# KiCad board spudglo_driver_v8pWB55.kicad_pcb

Outline 74.03 x 44.02 mm; copper layers: Top, GND.Cu (plane), PWR.Cu (plane), Bottom. Coordinates in mm from the lower left corner of the outline.
Outline path: 0,41.01 arc(0.87,43.14) 2.99,44.02 71.02,44.01 arc(73.14,43.15) 74.03,41.02 74.02,3.01 arc(73.15,0.88) 71.03,0 3.02,0.02 arc(0.89,0.89) 0.01,3.01 0,41.01
Stack: Top 0.035mm / dielectric 1.51mm FR4 er 4.5 / GND.Cu 0.035mm / dielectric 1.51mm FR4 er 4.5 / PWR.Cu 0.035mm / dielectric 1.51mm FR4 er 4.5 / Bottom 0.035mm

## Placement (name value [footprint] x y rotation side)
BT1  Battery_Cell  [BatteryHolder_Keystone_500]  42.74 27.74 60 top
C1  1u  [C_0402_1005Metric_Pad0.74x0.62mm_HandSolder]  35.76 39.6 180 top
C2  1u  [C_0402_1005Metric_Pad0.74x0.62mm_HandSolder]  4.36 25.41 90 top
C3  1u  [C_0402_1005Metric_Pad0.74x0.62mm_HandSolder]  27.11 14.68 180 top
C4  10u  [C_0402_1005Metric_Pad0.74x0.62mm_HandSolder]  57.82 23.4 270 top
C5  10u  [C_0402_1005Metric_Pad0.74x0.62mm_HandSolder]  60.2 20.52 180 top
C6  0.1u  [C_0402_1005Metric_Pad0.74x0.62mm_HandSolder]  36.87 28.5 90 top
C7  6p  [C_0402_1005Metric_Pad0.74x0.62mm_HandSolder]  1.19 31.31 45 top
C8  0.1u  [C_0402_1005Metric_Pad0.74x0.62mm_HandSolder]  26.72 32.71 270 top
C9  4.7u  [C_0402_1005Metric_Pad0.74x0.62mm_HandSolder]  8.89 25.6 315 top
C10  0.01u  [C_0402_1005Metric_Pad0.74x0.62mm_HandSolder]  19.39 33.42 90 top
C11  1u  [C_0402_1005Metric_Pad0.74x0.62mm_HandSolder]  20.76 34.22 90 top
C12  100n  [C_0402_1005Metric_Pad0.74x0.62mm_HandSolder]  6.49 33.18 135 top
C13  100n  [C_0402_1005Metric_Pad0.74x0.62mm_HandSolder]  11.59 23.33 315 top
C14  100n  [C_0402_1005Metric_Pad0.74x0.62mm_HandSolder]  18.29 28.54 45 top
C15  0.01u  [C_0402_1005Metric_Pad0.74x0.62mm_HandSolder]  18.12 22.08 270 top
C16  0.1u  [C_0402_1005Metric_Pad0.74x0.62mm_HandSolder]  5.24 29.6 135 top
C17  0.1n  [C_0402_1005Metric_Pad0.74x0.62mm_HandSolder]  5.92 30.31 135 top
C18  1u  [C_0402_1005Metric_Pad0.74x0.62mm_HandSolder]  56.52 13.4 90 top
C19  1u  [C_0402_1005Metric_Pad0.74x0.62mm_HandSolder]  21.77 5.16 90 top
C20  1u  [C_0402_1005Metric_Pad0.74x0.62mm_HandSolder]  61.58 32.81 90 top
C21  1u  [C_0402_1005Metric_Pad0.74x0.62mm_HandSolder]  56.06 33.07 270 top
C22  1u  [C_0402_1005Metric_Pad0.74x0.62mm_HandSolder]  63.42 28.27 270 top
C23  1u  [C_0402_1005Metric_Pad0.74x0.62mm_HandSolder]  58.91 27.44 270 top
C24  22u  [C_0402_1005Metric_Pad0.74x0.62mm_HandSolder]  54.59 22.96 90 top
C25  1u  [C_0402_1005Metric_Pad0.74x0.62mm_HandSolder]  53.25 12.15 270 top
C26  1u  [C_0402_1005Metric_Pad0.74x0.62mm_HandSolder]  21.85 32.75 90 top
C27  22u  [C_0402_1005Metric_Pad0.74x0.62mm_HandSolder]  56.14 22.93 90 top
C28  0.1u  [C_0402_1005Metric_Pad0.74x0.62mm_HandSolder]  64.71 13.65 90 top
C29  1u  [C_0402_1005Metric_Pad0.74x0.62mm_HandSolder]  47.34 13.09 90 top
C30  1u  [C_0402_1005Metric_Pad0.74x0.62mm_HandSolder]  54.78 25.4 0 top
C31  1u  [C_0402_1005Metric_Pad0.74x0.62mm_HandSolder]  55.93 15.96 0 top
C32  1u  [C_0402_1005Metric_Pad0.74x0.62mm_HandSolder]  60.35 10.92 180 top
C33  6p  [C_0402_1005Metric_Pad0.74x0.62mm_HandSolder]  4.39 28.16 225 top
E1  AMCA31-2R450G-S1F-T3  [XDCR_AMCA31-2R450G-S1F-T3]  10.12 43.29 0 top
F1  Fuse-2410FA  [2410FA]  75.4 18.08 270 top
G***  -  [LOGO]  69.45 0.35 0 top
G***#2  -  [LOGO]  67.36 39.91 0 top
G***#3  -  [LOGO]  52.7 9.46 0 top
G***#4  -  [LOGO]  41 42.65 0 top
G***#5  -  [LOGO]  0.42 38.27 90 top
G***#6  -  [LOGO]  17.96 11.31 0 top
G***#7  -  [LOGO]  5.16 43.69 0 top
G***#8  -  [LOGO]  73.67 4.78 90 top
G***#9  -  [LOGO]  62.14 8.65 0 top
G***#10  -  [LOGO]  24.02 -11.91 0 top
G***#11  -  [LOGO]  54.29 42.21 0 top
G***#12  -  [LOGO]  17.57 4.62 0 top
G***#13  -  [LOGO]  0.32 3.97 90 top
G***#14  -  [LOGO]  71.29 37.45 0 top
G***#15  -  [LOGO]  18.15 42.15 0 top
G***#16  -  [LOGO]  73.72 38.12 90 top
G***#17  -  [LOGO]  5.75 0.38 0 top
G***#18  -  [LOGO]  8.98 10.28 0 top
G***#19  -  [LOGO]  68.6 43.63 0 top
G***#20  -  [LOGO]  59.43 0.79 0 top
G***#21  -  [LOGO]  38.34 0.66 0 top
G***#22  -  [LOGO]  31.25 11.75 270 top
G***#23  -  [LOGO]  52.72 8.25 0 top
G***#24  -  [LOGO]  28.01 0.69 0 top
G***#25  -  [LOGO]  48.92 0.73 0 top
G***#26  -  [LOGO]  40.8 13.76 0 top
G***#27  -  [LOGO]  47.51 39.76 0 top
G***#28  -  [LOGO]  73.67 4.78 90 bottom
G***#29  -  [LOGO]  10.5 24.69 180 bottom
G***#30  -  [LOGO]  69.83 18.08 180 bottom
G***#31  -  [LOGO]  57.33 11.14 180 bottom
G***#32  -  [LOGO]  69.74 13.17 180 bottom
G***#33  -  [LOGO]  0.42 38.27 90 bottom
G***#34  -  [LOGO]  15.18 3.79 180 bottom
G***#35  -  [LOGO]  5.75 0.38 180 bottom
G***#36  -  [LOGO]  5.16 43.69 180 bottom
G***#37  -  [LOGO]  4.34 10.81 180 bottom
G***#38  -  [LOGO]  68.6 43.63 180 bottom
G***#39  -  [LOGO]  0.32 3.97 90 bottom
G***#40  -  [LOGO]  73.72 38.12 90 bottom
G***#41  -  [LOGO]  69.45 0.35 180 bottom
G***#42  -  [LOGO]  39.82 11.06 180 bottom
G***#43  -  [LOGO]  42.24 37.69 270 bottom
H1  MountingHole  [MountingHole_4.5mm]  3.06 40.98 0 top
H2  MountingHole  [MountingHole_4.5mm]  3.07 3.06 0 top
H3  MountingHole  [MountingHole_4.5mm]  70.98 41.01 0 top
H4  MountingHole  [MountingHole_4.5mm]  70.98 3.03 0 top
IC1  -  [AP63205]  60.09 23.42 180 top
J1  Conn_01x08_Male  [PinHeader_2x04_P2.54mm_Vertical]  51.06 16.76 180 top
J2  Barrel_Jack_Switch  [BarrelJack_Wuerth_6941xx301002]  65.92 24.98 90 top
J3  terminal_custom_12pin  [1984714]  66.37 3.13 180 top
J4  Conn_01x01_Pin  [Pin_D1.3mm_L11.0mm_LooseFit]  64.4 17.7 0 top
J5  Conn_01x01_Pin  [Pin_D1.3mm_L11.0mm_LooseFit]  64.66 32.17 0 top
J7  Conn_02x02_Top_Bottom  [PinHeader_2x02_P2.00mm_Vertical]  40.99 22.94 0 top
L1  L  [L_1008_2520Metric_Pad1.43x2.20mm_HandSolder]  56.23 19.85 180 top
L2  2.2u  [L_1008_2520Metric_Pad1.43x2.20mm_HandSolder]  8.79 21.95 135 top
L3  8.3nH  [L_0402_1005Metric]  4.59 36.4 90 top
L4  DNI  [L_0402_1005Metric]  6.06 35.95 180 top
L5  9.3nH  [L_0402_1005Metric]  6.07 36.95 180 top
L6  10n  [L_0402_1005Metric_Pad0.77x0.64mm_HandSolder]  7.54 24.53 45 top
LED1  150044M155260  [150044M155260_WRE]  27.15 16.47 90 top
R1  1M  [R_0402_1005Metric_Pad0.72x0.64mm_HandSolder]  32.84 39.64 0 top
R2  10k  [R_0402_1005Metric_Pad0.72x0.64mm_HandSolder]  22.89 25.99 180 top
R3  1M  [R_0402_1005Metric_Pad0.72x0.64mm_HandSolder]  21.84 35.1 90 top
R4  1M  [R_0402_1005Metric_Pad0.72x0.64mm_HandSolder]  21.77 7.63 270 top
R5  1M  [R_0402_1005Metric_Pad0.72x0.64mm_HandSolder]  4.49 18.86 270 top
R6  60k  [R_0402_1005Metric_Pad0.72x0.64mm_HandSolder]  63.79 11.17 0 top
R7  40k  [R_0402_1005Metric_Pad0.72x0.64mm_HandSolder]  66.26 13.67 90 top
R8  10k  [R_0402_1005Metric_Pad0.72x0.64mm_HandSolder]  60.65 17.77 180 top
R9  0  [R_0402_1005Metric_Pad0.72x0.64mm_HandSolder]  55.93 17.5 0 top
R10  10k  [R_0603_1608Metric_Pad0.98x0.95mm_HandSolder]  54.98 29.98 0 top
R11  10k  [R_0402_1005Metric_Pad0.72x0.64mm_HandSolder]  59.91 16.21 180 top
R12  10k  [R_0402_1005Metric_Pad0.72x0.64mm_HandSolder]  22.88 24.98 180 top
R13  1M  [R_0402_1005Metric_Pad0.72x0.64mm_HandSolder]  23.49 23.29 270 top
R14  0  [R_0402_1005Metric_Pad0.72x0.64mm_HandSolder]  3.56 36.23 270 top
R15  10k  [R_0402_1005Metric_Pad0.72x0.64mm_HandSolder]  21.16 27.72 270 top
R16  10k  [R_0402_1005Metric_Pad0.72x0.64mm_HandSolder]  21.87 30.48 90 top
R18  0  [R_0402_1005Metric_Pad0.72x0.64mm_HandSolder]  6.3 31.96 135 top
R20  100  [R_0402_1005Metric]  15.88 21.41 135 top
R21  100  [R_0402_1005Metric]  16.14 24.78 90 top
R22  100  [R_0402_1005Metric]  17.1 23.86 90 top
R23  10k  [R_0402_1005Metric_Pad0.72x0.64mm_HandSolder]  22.26 23.33 270 top
R24  0  [R_0402_1005Metric_Pad0.72x0.64mm_HandSolder]  54.98 13.42 90 top
R34  10k  [R_0402_1005Metric_Pad0.72x0.64mm_HandSolder]  56.47 28.26 180 top
R35  28k  [R_0402_1005Metric_Pad0.72x0.64mm_HandSolder]  53.08 28.26 180 top
U1  rf_433MHz_module  [433MHz_receiver]  26.21 43.91 0 top
U2  rf_433MHz_module  [433MHz_receiver]  26.01 13.77 270 top
U3  rf_433MHz_module  [433MHz_receiver]  0.06 13.51 90 top
U4  rf_433MHz_module  [433MHz_receiver]  26.04 40.75 270 top
U5  RV-8803  [rv-8803-c7]  19.64 24.52 0 top
U6  -  [XR21B1411]  57.49 32.44 0 top
U7  ~  [MIC826SYMT]  62.8 13.38 270 top
U8  ~  [MLPF-WB55-01E3_STM]  4.57 33.87 0 top
U9  SN74HCT245PW  [TSSOP-20_4.4x6.5mm_P0.65mm]  32.14 24.4 0 top
U10  STM32WB55CGUx  [QFN-48-1EP_7x7mm_P0.5mm_EP5.6x5.6mm]  12.37 29.24 225 top
U12  USB-C-31-M-12  [USB_C_Receptacle_HRO_TYPE-C-31-M-12]  60.96 39.82 180 top
U13  -  [NCP361]  59.78 27.27 90 top
U14  LP5907MFX-3.3  [SOT-23-5]  50.24 13.08 180 top
U16  -  [TPS22916BYFPT]  53.41 18.18 90 top
U17  ~  [TPS22810TDBVRQ1]  59.49 13.42 180 top
Y1  ECS-480-8-36-RWN-TR  [XTAL_ECS-480-8-36-RWN-TR]  2.56 29.46 135 top

## Library data of the parts
C1-C33 = -: ki_fp_filters: CP_*
E1 = -: MF: Abracon; MAXIMUM_PACKAGE_HEIGHT: 1.4mm; Package: None; Price: None; Check_prices: https://www.snapeda.com/parts/AMCA31-2R450G-S1F-T3/Abracon/view-part/?ref=eda; STANDARD: Manufacturer Recommendations; PARTREV: 03-21-19; SnapEDA_Link: https://www.snapeda.com/parts/AMCA31-2R450G-S1F-T3/Abracon/view-part/?ref=snap; Purchase-URL: https://www.snapeda.com/api/url_track_click_mouser/?unipart_id=330964&manufacturer=Abracon&part_name=AMCA31-2R450G-S1F-T3&search_term=amca31-2r450g-s1f-t3; Description_1: 2.4GHz Bluetooth, Wi-Fi, WLAN Chip RF Antenna 2.405GHz ~ 2.495GHz 0.5dBi Solder Surface Mount; MANUFACTURER: Abracon; Availability: In Stock
H1-H4 = -: ki_fp_filters: MountingHole*
IC1 = -: MF: Diodes Zetex; Description_1: Conv DC-DC 3.8V to 32V Synchronous Step Down Single-Out 5V 2A 6-Pin TSOT-26 T/R; Package: None; Price: None; SnapEDA_Link: https://www.snapeda.com/parts/AP63205/Zetex/view-part/?ref=snap; Availability: Not in stock; Check_prices: https://www.snapeda.com/parts/AP63205/Zetex/view-part/?ref=eda
J1 = -: ki_fp_filters: Connector*:*_1x??_*
J2 = -: ki_fp_filters: BarrelJack*
J4 J5 = -: Description: Generic connector, single row, 01x01, script generated; ki_fp_filters: Connector*:*_1x??_*
J7 = -: Description: Generic connector, double row, 02x02, top/bottom pin numbering scheme (row 1: 1...pins_per_row, row2: pins_per_row+1 ... num_pins), script generated (kicad-library-utils/schlib/autogen/connector/); ki_fp_filters: Connector*:*_2x??_*
L1 L2 = -: Datasheet: CIGT252010EH2R2MNE; ki_fp_filters: Choke_* *Coil* Inductor_* L_*
L3-L5 = -: Description: Inductor; ki_fp_filters: Choke_* *Coil* Inductor_* L_*
L6 = -: Datasheet: LQG15WZ10NJ02D; ki_fp_filters: Choke_* *Coil* Inductor_* L_*
LED1 = -: ki_fp_filters: 150044M155260_WRE 150044M155260_WRE-M 150044M155260_WRE-L
R1-R16 R18 R20-R24 R34 R35 = -: ki_fp_filters: R_*
U5 = -: Datasheet: https://www.emmicroelectronic.com/sites/default/files/products/datasheets/rv-8803-c7-mn01.pdf
U10 = -: Datasheet: https://www.st.com/resource/en/datasheet/stm32wb55cg.pdf; Description: STMicroelectronics Arm Cortex-M4 MCU, 1024KB flash, 256KB RAM, 64 MHz, 1.71-3.6V, 30 GPIO, UFQFPN48; ki_fp_filters: QFN*1EP*7x7mm*P0.5mm*
U14 = -: Datasheet: http://www.ti.com/lit/ds/symlink/lp5907.pdf; ki_fp_filters: SOT?23*
U16 = -: Description: TPS22916 5.5-V, 2-A Ultra-Low Leakage Load Switch 4-DSBGA -40 to 85; MF: Texas Instruments; PACKAGE: DSBGA-4 Texas Instruments; PRICE: 0.42 USD; Package: DSBGA-4 Texas Instruments; Check_prices: https://www.snapeda.com/parts/TPS22916BYFPT/Texas+Instruments/view-part/?ref=eda; Price: None; SnapEDA_Link: https://www.snapeda.com/parts/TPS22916BYFPT/Texas+Instruments/view-part/?ref=snap; Availability: In Stock; AVAILABILITY: Unavailable; Description_1: 5.5-V, 2-A, 60-mΩ, 10-nA leakage load switch with output discharge
Y1 = -: Description: The minature ECX-2236 is a compact SMD Crystal. The industry standard 2.5 x 2.0 x 0.55 mm ceramic package is ideal for today’s SMD manufacturing environment.; AVAILABILITY: Good; MF: ECS INC; MP: ECX-2236; PACKAGE: SMD-4 ECX; PARTREV: 2017; STANDARD: Manufacturer Recommendation

## Footprints (pads in the part's own frame, mm; a bottom-side part is the same pattern mirrored in y, then rotated)
433MHz_receiver
  rect 1.7x1.7 hole 1: 1(11.34,-1.91)
  oval 1.7x1.7 hole 1: 2(8.8,-1.91) 3(6.26,-1.91) 4(3.72,-1.91)
2410FA
  rect 3x4 smd: 1(0,-4) 2(5.6,-4)
150044M155260_WRE
  rect 0.711x0.356 smd: 1(-0.549,-0.4) 2(-0.549,0.4) 3(0.549,0.4) 4(0.549,-0.4)
1984714
  round 2 hole 1.4: 1(0,0) 2(3.5,0) 3(7,0) 4(10.5,0) 5(14,0) 6(17.5,0) 7(21,0) 8(24.5,0) 9(28,0) 10(31.5,0) 11(35,0) 12(38.5,0)
AP63205
  rect 0.62x1.22 smd: 1(-0.95,-1.3) 2(0,-1.3) 3(0.95,-1.3) 4(0.95,1.3) 5(0,1.3) 6(-0.95,1.3)
BarrelJack_Wuerth_6941xx301002
  rect 4.4x1.8 hole 3.4x0.8: 1(0,0)
  oval 4x1.8 hole 3x0.8: 2(0,-5.8)
  oval 1.8x4 hole 0.8x3: 3(4.8,-3)
BatteryHolder_Keystone_500
  round 2.5 hole 1.02: 1(0,0)
  round 2.54 hole 1.02: 2(9.53,0)
C_0402_1005Metric_Pad0.74x0.62mm_HandSolder
  rrect 0.735x0.62 smd: 1(-0.568,0) 2(0.568,0)
L_0402_1005Metric
  rrect 0.59x0.64 smd: 1(-0.485,0) 2(0.485,0)
L_0402_1005Metric_Pad0.77x0.64mm_HandSolder
  rrect 0.765x0.64 smd: 1(-0.573,0) 2(0.573,0)
L_1008_2520Metric_Pad1.43x2.20mm_HandSolder
  rrect 1.425x2.2 smd: 1(-1.163,0) 2(1.163,0)
MIC826SYMT
  rrect 0.76x0.27 smd: 1(-0.78,0.5) 2(-0.78,0) 3(-0.78,-0.5) 4(0.78,-0.5) 5(0.78,0) 6(0.78,0.5)
  rect 0.5x1.26 smd: 7(0,0)
MLPF-WB55-01E3_STM
  rect 0.203x0.203 smd: 1(-0.254,0.587) 2(-0.254,0) 3(-0.254,-0.587) 4(0.254,-0.587) 5(0.254,0) 6(0.254,0.587)
MountingHole_4.5mm
  round 4.5 hole 4.5 unplated: (0,0)
NCP361
  rect 0.4x0.47 smd: 1(0,-2.3) 2(0.65,-2.3) 3(1.3,-2.3) 4(1.3,-0.47) 5(0.65,-0.47) 6(0,-0.47)
  rect 1.7x0.95 smd: EPAD(0.65,-1.385)
Pin_D1.3mm_L11.0mm_LooseFit
  round 3 hole 1.5: 1(0,0)
PinHeader_2x02_P2.00mm_Vertical
  rect 1.35x1.35 hole 0.8: 1(0,0)
  oval 1.35x1.35 hole 0.8: 2(2,0) 3(0,-2) 4(2,-2)
PinHeader_2x04_P2.54mm_Vertical
  rect 1.7x1.7 hole 1: 1(0,0)
  oval 1.7x1.7 hole 1: 2(2.54,0) 3(0,-2.54) 4(2.54,-2.54) 5(0,-5.08) 6(2.54,-5.08) 7(0,-7.62) 8(2.54,-7.62)
QFN-48-1EP_7x7mm_P0.5mm_EP5.6x5.6mm
  rrect 1.13x1.13 smd: (-2.1,2.1) (-2.1,0.7) (-2.1,-0.7) (-2.1,-2.1) (-0.7,2.1) (-0.7,0.7) (-0.7,-0.7) (-0.7,-2.1) (0.7,2.1) (0.7,0.7) (0.7,-0.7) (0.7,-2.1) (2.1,2.1) (2.1,0.7) (2.1,-0.7) (2.1,-2.1)
  rrect 0.875x0.25 smd: 1(-3.438,2.75) 2(-3.438,2.25) 3(-3.438,1.75) 4(-3.438,1.25) 5(-3.438,0.75) 6(-3.438,0.25) 7(-3.438,-0.25) 8(-3.438,-0.75) 9(-3.438,-1.25) 10(-3.437,-1.75) 11(-3.438,-2.25) 12(-3.438,-2.75) 25(3.438,-2.75) 26(3.438,-2.25) 27(3.438,-1.75) 28(3.438,-1.25) 29(3.438,-0.75) 30(3.438,-0.25) 31(3.438,0.25) 32(3.438,0.75) 33(3.438,1.25) 34(3.437,1.75) 35(3.438,2.25) 36(3.438,2.75)
  rrect 0.25x0.875 smd: 13(-2.75,-3.438) 14(-2.25,-3.438) 15(-1.75,-3.438) 16(-1.25,-3.438) 17(-0.75,-3.438) 18(-0.25,-3.438) 19(0.25,-3.438) 20(0.75,-3.438) 21(1.25,-3.438) 22(1.75,-3.437) 23(2.25,-3.438) 24(2.75,-3.438) 37(2.75,3.438) 38(2.25,3.438) 39(1.75,3.438) 40(1.25,3.438) 41(0.75,3.438) 42(0.25,3.438) 43(-0.25,3.438) 44(-0.75,3.438) 45(-1.25,3.438) 46(-1.75,3.437) 47(-2.25,3.438) 48(-2.75,3.438)
  rect 5.6x5.6 smd: 49(0,0)
R_0402_1005Metric
  rrect 0.54x0.64 smd: 1(-0.51,0) 2(0.51,0)
R_0402_1005Metric_Pad0.72x0.64mm_HandSolder
  rrect 0.715x0.64 smd: 1(-0.598,0) 2(0.598,0)
R_0603_1608Metric_Pad0.98x0.95mm_HandSolder
  rrect 0.975x0.95 smd: 1(-0.912,0) 2(0.912,0)
rv-8803-c7
  rect 0.8x0.5 smd: 1(0,0) 2(0,-0.9) 3(0,-1.8) 4(0,-2.7) 5(1.2,-2.7) 6(1.2,-1.8) 7(1.2,-0.9) 8(1.2,0)
SOT-23-5
  rrect 1.325x0.6 smd: 1(-1.137,0.95) 2(-1.137,0) 3(-1.137,-0.95) 4(1.137,-0.95) 5(1.137,0.95)
TPS22810TDBVRQ1
  rrect 1.21x0.58 smd: 1(-1.255,0.95) 2(-1.255,0) 3(-1.255,-0.95) 4(1.255,-0.95) 5(1.255,0) 6(1.255,0.95)
TPS22916BYFPT
  round 0.203 smd: A1(-0.203,0.203) A2(0.203,0.203) B1(-0.203,-0.203) B2(0.203,-0.203)
TSSOP-20_4.4x6.5mm_P0.65mm
  rrect 1.475x0.4 smd: 1(-2.862,2.925) 2(-2.862,2.275) 3(-2.862,1.625) 4(-2.862,0.975) 5(-2.862,0.325) 6(-2.862,-0.325) 7(-2.862,-0.975) 8(-2.862,-1.625) 9(-2.862,-2.275) 10(-2.862,-2.925) 11(2.862,-2.925) 12(2.862,-2.275) 13(2.862,-1.625) 14(2.862,-0.975) 15(2.862,-0.325) 16(2.862,0.325) 17(2.862,0.975) 18(2.862,1.625) 19(2.862,2.275) 20(2.862,2.925)
USB_C_Receptacle_HRO_TYPE-C-31-M-12
  round 0.65 hole 0.65 unplated: (-2.89,2.6) (2.89,2.6)
  rect 0.6x1.45 smd: A1(-3.25,4.045) A4(-2.45,4.045) A9(2.45,4.045) A12(3.25,4.045) B1(3.25,4.045) B4(2.45,4.045) B9(-2.45,4.045) B12(-3.25,4.045)
  rect 0.3x1.45 smd: A5(-1.25,4.045) A6(-0.25,4.045) A7(0.25,4.045) A8(1.25,4.045) B5(1.75,4.045) B6(0.75,4.045) B7(-0.75,4.045) B8(-1.75,4.045)
  oval 1x2.1 hole 0.6x1.7: S1(-4.32,3.13) S1(4.32,3.13)
  oval 1x1.6 hole 0.6x1.2: S1(-4.32,-1.05) S1(4.32,-1.05)
XDCR_AMCA31-2R450G-S1F-T3
  rect 0.8x2 smd: 1(0.67,-1.07) 2(3.37,-1.07)
XR21B1411
  rect 0.625x0.3 smd: 1(0,-0.005) 2(0,-0.505) 3(0,-1.005) 4(0,-1.505) 9(2.775,-1.505) 10(2.775,-1.005) 11(2.775,-0.505) 12(2.775,-0.005)
  rect 0.3x0.625 smd: 5(0.608,-2.172) 6(1.107,-2.172) 7(1.607,-2.172) 8(2.107,-2.172) 13(2.108,0.603) 14(1.607,0.603) 15(1.107,0.603) 16(0.607,0.603)
  rect 1.7x1.7 smd: EPAD(1.383,-0.78)
XTAL_ECS-480-8-36-RWN-TR
  rect 1.2x1 smd: 1(-0.85,-0.65) 2(0.85,-0.65) 3(0.85,0.65) 4(-0.85,0.65)

## Nets
5V_BUCK_BYPASS: R11.1 U7.3 U17.3
5V_BUCK_EN_N: IC1.2 R8.1 U7.1 U16.B2
+3V3: C3.1 C10.1 C11.1 C12.1 C13.1 C14.1 C16.1 C17.1 C20.1 C29.1 J1.8 LED1.1 R2.1 R12.1 R13.1 R16.1 R23.1 U6.12 U10.1 U10.8 U10.20 U10.23 U10.34 U10.35 U10.48 U12.A8 U14.5
+5V: C6.1 C25.1 R9.2 R24.2 U9.20 U14.1 U14.3
GND1: BT1.2 C1.2 C2.2 C3.2 C4.2 C6.2 C7.2 C8.2 C9.2 C10.2 C11.2 C12.2 C13.2 C14.2 C15.2 C16.2 C17.2 C18.2 C19.2 C20.2 C21.2 C22.2 C23.2 C24.2 C25.2 C26.2 C27.2 C28.2 C29.2 C30.2 C31.2 C32.2 C33.2 IC1.4 J1.1 J2.2 J2.3 J3.3 J3.6 J3.9 J3.12 J5.1 L4.1 L5.1 R1.2 R3.2 R4.2 R5.2 R7.2 R8.2 R10.2 R11.2 R14.1 R14.2 R15.2 R35.2 U1.1 U2.1 U3.1 U4.1 U5.5 U6.11 U6.13 U6.EPAD U7.2 U7.7 U8.2 U8.4 U8.5 U8.6 U9.2 U9.4 U9.6 U9.8 U9.9 U9.10 U9.11 U9.12 U9.14 U9.16 U9.18 U10.22 U10.32 U10.40 U10.49 U12.A1 U12.A12 U12.B1 U12.B12 U13.1 U13.2 U13.EPAD U14.2 U16.B1 U17.2 Y1.2 Y1.4
VBUS: C21.1 C23.1 R34.1 U6.16 U13.4 U13.5
VBUS_PRESENT: R34.2 R35.1 U10.14
VIN: C1.1 C2.1 C4.1 C19.1 C26.1 C32.1 F1.2 IC1.3 J3.1 J3.2 J3.4 J3.7 J3.10 R6.1 U1.2 U2.2 U3.2 U4.2 U17.1
/spudglo_v8p0_micro/BLUE_LED: R22.2 U10.44
/spudglo_v8p0_micro/BOOT0: R15.1 U10.4
/spudglo_v8p0_micro/GREEN_LED: R21.2 U10.43
/spudglo_v8p0_micro/LVL_DIR: U9.1 U10.29
/spudglo_v8p0_micro/LVL_EN: U9.19 U10.28
/spudglo_v8p0_micro/OSC48_HI: C7.1 U10.25 Y1.3
/spudglo_v8p0_micro/OSC48_LO: C33.1 U10.24 Y1.1
/spudglo_v8p0_micro/RED_LED: R20.2 U10.42
GPIO_1: J7.1 U10.37
GPIO_2: J7.2 U10.19
GPIO_3: J7.3 U10.5
GPIO_4: J7.4 U10.6
I2C2_SCL: R12.2 U5.8 U10.46
I2C2_SDA: R2.2 U5.1 U10.47
NRST: C8.1 J1.2 R16.2 U6.8 U10.7 U12.B8
RV_8803_CLK_EN: R13.2 U5.4 U10.3
RV_8803_CLK_OUT: U5.2 U10.2
RV_8803_INT_N: R23.2 U5.6 U10.11
SWCLK: J1.6 U10.41 U12.B5
SWDIO: J1.7 U10.39 U12.A5
TIM1_CH1: U9.3 U10.17
TIM1_CH1_SHIFT: J3.11 U9.17
TIM1_CH2: U9.5 U10.18
TIM1_CH2_SHIFT: J3.8 U9.15
TIM1_CH3: U9.7 U10.36
TIM1_CH3_SHIFT: J3.5 U9.13
USBD+: U6.15 U12.A6 U12.B6
USBD-: U6.14 U12.A7 U12.B7
V_BUTTON: BT1.1 C15.1 U5.3
WKUP1: U4.4 U6.7 U10.9
WKUP2: U3.4 U10.10
WKUP3: U2.4 U10.12
WKUP4: U1.4 U10.13
XR_GPIO: U6.6 U10.15
XR_RX: U6.10 U10.45
XR_TX: U6.9 U10.38
Net-(E1-Pad1): E1.1 L3.2 L5.2
Net-(IC1-BST): C5.1 IC1.6
Net-(IC1-FB): C24.1 C27.1 C30.1 IC1.1 L1.2 U16.A2
Net-(IC1-SW): C5.2 IC1.5 L1.1
Net-(J4-Pin_1): F1.1 J2.1 J4.1
Net-(L2-Pad2): L2.2 L6.1
Net-(LED1-Pad2): LED1.2 R20.1
Net-(LED1-Pad3): LED1.3 R21.1
Net-(LED1-Pad4): LED1.4 R22.1
Net-(U1-OUT+): R1.1 U1.3
Net-(U2-OUT+): R4.1 U2.3
Net-(U3-OUT+): R5.1 U3.3
Net-(U4-OUT+): R3.1 U4.3
Net-(U6-LOWPOWER): R10.1 U6.1
Net-(U7-VCC): C28.1 R6.2 R7.1 U7.6
Net-(U8-IN): R18.2 U8.3
Net-(U8-OUT): L3.1 L4.2 U8.1
Net-(U10-RF1): R18.1 U10.21
Net-(U10-VFBSMPS): C9.1 L6.2 U10.31
Net-(U10-VLXSMPS): L2.1 U10.33
Net-(U12-VBUS1): C22.1 U12.A4 U12.A9 U12.B4 U12.B9 U13.3
Net-(U16-VOUT): C31.1 R9.1 U16.A1
Net-(U17-VOUT): C18.1 R24.1 U17.6

Pads without a net: E1 2; J1 3 4 5; U5 7; U6 2 3 4 5; U7 4 5; U10 16 26 27 30; U12 S1; U13 6; U14 4; U17 4 5

## Via types
v1: diameter 0.8, hole 0.4, Top to Bottom, 168 vias
v2: diameter 4, hole 3, Top to Bottom, 2 vias
v3: diameter 5, hole 4, Top to Bottom, 2 vias

## Routing (per net, layer and track width the routed paths; a pad name or vN(x,y) marks a point on that pad's centre or on a via; arc(x,y) is an arc through that point)
5V_BUCK_BYPASS: length 3.4
  Top w0.25: 60.74,16.13 U17.3 60.95,14.16 U7.3
5V_BUCK_EN_N: length 21
  Top w0.2: U16.B2 53.62,18.39 60.94,18.39 61.56,17.77
  Top w0.25: U7.1 63.3,14.62 63.05,14.87 62.9,14.87 61.63,16.13 61.63,17.7 61.56,17.77 61.56,17.96 62.08,18.48 62.08,22.47 61.49,23.06 60.9,23.06 60.09,23.86 IC1.2
+3V3: length 47.3
  Top w0.25: v1(24.63,14.86) 25.44,14.05 27.04,14.05 C3.1 27.68,15.8 LED1.1 ; v1(59.67,37.03) 59.71,36.98 U12.A8 ; U10.8 15.19,33.13 18.3,33.13 18.57,32.85 C10.1 19.96,32.85 C11.1 21.03,33.39 21.03,32.7 v1(20.7,32.37) ; U10.34 U10.35 11.19,24.88 11.19,23.74 C13.1 11.19,20.87 v1(11.2,20.86) 11.2,20.65 11.26,20.59 ; v1(61.65,31.19) 61.58,31.26 C20.1 61.39,32.43 U6.12 ; U10.1 16.86,29.73 v1(17.33,29.25) ; 23.48,25.98 R12.1 22.43,23.93 ; v1(5.76,34.84) 5.76,34.81 6.89,33.68 C12.1 7.28,32.39 7.31,32.39 7.93,31.78 8.78,31.78 U10.20 ; U10.23 8,30.43 7.62,30.43 7.1,29.91 C17.1 5.64,29.23 ; R13.1 22.3,23.89 ; v1(18.5,27.54) 18.49,27.54 C14.1 17.36,28.14 U10.48 ; R2.1 24.41,25.99 v1(24.44,26.02) ; 22.01,30.02 22.03,30.04 v1(22.68,30.04) ; v1(6.36,29.2) C16.1
  Top w0.5: v1(48.94,11.06) 48.9,11.06 47.44,12.53 C29.1 47.34,11.23 v1(47.73,10.84)
  Top w0.75: C29.1 47.63,12.53 48.06,12.95 48.28,12.95 U14.5
+5V: length 11.1
  Top w0.5: U14.3 51.95,14.03 52.49,13.48 52.49,13.43 53.08,12.84 52.37,12.13 U14.1 ; C6.1 36.87,27.13 v1(36.56,26.83) ; 54.98,14.33 54.29,15.02 v1(54.27,15.02) ; R9.2 57.43,17.5 v1(57.51,17.42) ; U9.20 35.61,27.93 36.57,27.93 36.87,27.64 ; v1(53.74,13.6) 53.74,12.9 53.8,12.84 53.68,12.72 C25.1
GND1: length 467.7
  Top w0.2: v1(54.18,17.4) U16.B1
  Top w0.25: 7.02,30.88 8.26,30.88 U10.22 ; 7.02,30.88 6.95,30.8 6.55,30.8 5.42,31.94 4.67,31.94 3.86,32.75 3.86,33.47 ; 7.02,30.88 6.86,30.71 C17.2 ; 51.69,4.45 49.94,6.2 40.71,6.2 39.81,7.1 33.73,7.1 33.39,7.44 33.39,22.38 33.4,22.39 v1(33.67,22.39) 33.93,22.13 U9.12 ; U9.14 34.31,23.43 33.91,23.83 33.04,23.83 32.49,23.28 32.49,7.05 33.34,6.2 39.44,6.2 40.22,5.42 ; U8.5 U8.2 3.71,33.87 v1(3.52,34.06) 3.84,34.38 3.84,35.36 R14.2 R14.1 3.56,37.01 6.35,39.8 6.35,40.54 8.46,42.65 ; U8.5 4.82,33.48 ; U8.5 U8.6 4.79,34.46 4.79,35.29 ; v1(19.72,20.12) 19.03,20.82 ; v1(19.72,20.12) 19.03,20.82 19.03,21.15 18.66,21.51 C15.2 ; v1(19.72,20.12) 20.04,20.44 20.05,20.44 20.84,21.23 U5.5 ; R15.2 21.63,27.59 21.77,27.59 v1(22.04,27.85) ; C17.2 4.98,31.25 v1(4.4,31.25) ; C17.2 4.84,30.03 ; 55.95,31.1 v1(55.94,31.09) 55.89,31.04 R10.2 ; U9.10 U9.9 U9.8 ; 31.59,6.68 32.96,5.3 36.2,5.3 ; v1(28.01,24.08) U9.6 ; U9.6 29.97,24.08 30.79,24.9 30.79,25.4 31.69,26.3 31.69,33.15 28.53,36.3 28.53,38.15 25.34,41.34 20.89,41.34 17.83,38.28 17.47,38.28 16.37,37.18 9.87,37.18 8.33,35.63 ; U9.6 27.89,24.08 ; 26.72,31.93 26.64,31.93 24.22,29.5 24.22,29.42 ; R35.2 52.48,27.4 v1(52.5,27.38) ; 40.22,5.42 41.25,4.39 41.32,4.46 42.42,4.46 43.2,3.68 43.2,2.51 42.42,1.73 41.4,1.73 40.55,2.58 40.55,3.68 ; 40.22,5.42 40.34,5.3 46.7,5.3 ; 8.33,35.63 8.21,35.52 8.21,32.98 8.51,32.68 ; 8.33,35.63 v1(7.31,35.63) 6.87,35.63 L4.1 ; C10.2 19.96,33.99 C11.2 ; U9.12 34.26,22.13 ; U9.12 U9.11 ; C14.2 19.28,28.36 v1(19.28,28.22) ; C12.2 5.79,33.29 U8.4 4.82,33.48 ; 4.82,33.48 4.82,33.06 5.04,32.84 5.34,32.84 ; 59.6,32.38 U6.13 59.6,32.37 ; 30.69,4.46 30.05,3.82 30.05,2.58 30.82,1.81 31.96,1.81 32.7,2.55 32.7,3.68 31.91,4.47 31.67,4.47 31.59,4.55 31.59,23.65 32.67,24.73 U9.16 ; 30.69,4.46 29.36,3.13 J3.12 ; 30.69,4.46 30.69,24.02 32.29,25.63 33.91,25.63 34.31,26.03 U9.18 ; U9.4 v1(28.03,25.38) 27.98,25.43 27.98,26.39 28.26,26.68 U9.2 30.15,26.68 30.34,26.86 30.34,32.59 27.17,35.76 27.17,37.4 27.18,37.41 27.18,37.59 24.78,39.99 21.45,39.99 18.39,36.93 18.03,36.93 16.93,35.83 12.37,35.83 12.3,35.76 10.37,35.76 9.56,34.96 9.56,33.75 10.21,33.1 ; v1(27.96,22.06) 28.67,22.78 ; U7.2 U7.7 63.65,13.38 ; 59,16.21 59,15.05 v1(59.49,14.56) 59.74,14.81 59.74,17.77 ; 8.35,41.2 7.32,40.17 7.32,39.43 5.49,37.6 6.23,37.6 6.55,37.27 L5.1 6.99,36.95 ; U10.40 12.37,27.47 ; v1(56.92,33.15) 56.7,33.15 56.06,32.51 ; 36.2,5.3 39.06,5.3 40.66,3.71 ; 36.2,5.3 J3.9 ; J3.6 46.7,5.3 ; 46.7,5.3 49.56,5.3 51.12,3.75 51.05,3.68 51.05,2.58 51.82,1.81 52.92,1.81 53.7,2.58 53.7,3.68 52.92,4.46 51.77,4.46 51.72,4.42 ; 6.44,24.38 6.44,24.36 6.36,24.29 6.34,24.29 6.34,22.39 9.11,19.62 9.57,19.62 9.79,19.83 11.82,19.83 12.03,20.04 v1(12.03,21.66) 12,21.69 C13.2 12.3,23.24 12.3,23.51 11.95,23.86 ; 20.94,34.79 21.84,35.7 ; U6.11 59.15,31.93 ; Y1.4 3.34,27.76 C33.2 5.25,27.76 v1(5.28,27.73) ; 61.58,33.67 60.4,33.67 59.63,32.91 59.63,32.4 v1(59.37,32.14) ; v1(4.34,17.44) 4.49,17.59 R5.2 ; 2.42,30.89 C7.2 ; C9.2 9.39,25.2 U10.32 12.37,28.18 ; v1(25.95,15.2) 26.47,14.68